# KiCad board homebrew_486.kicad_pcb (continued)
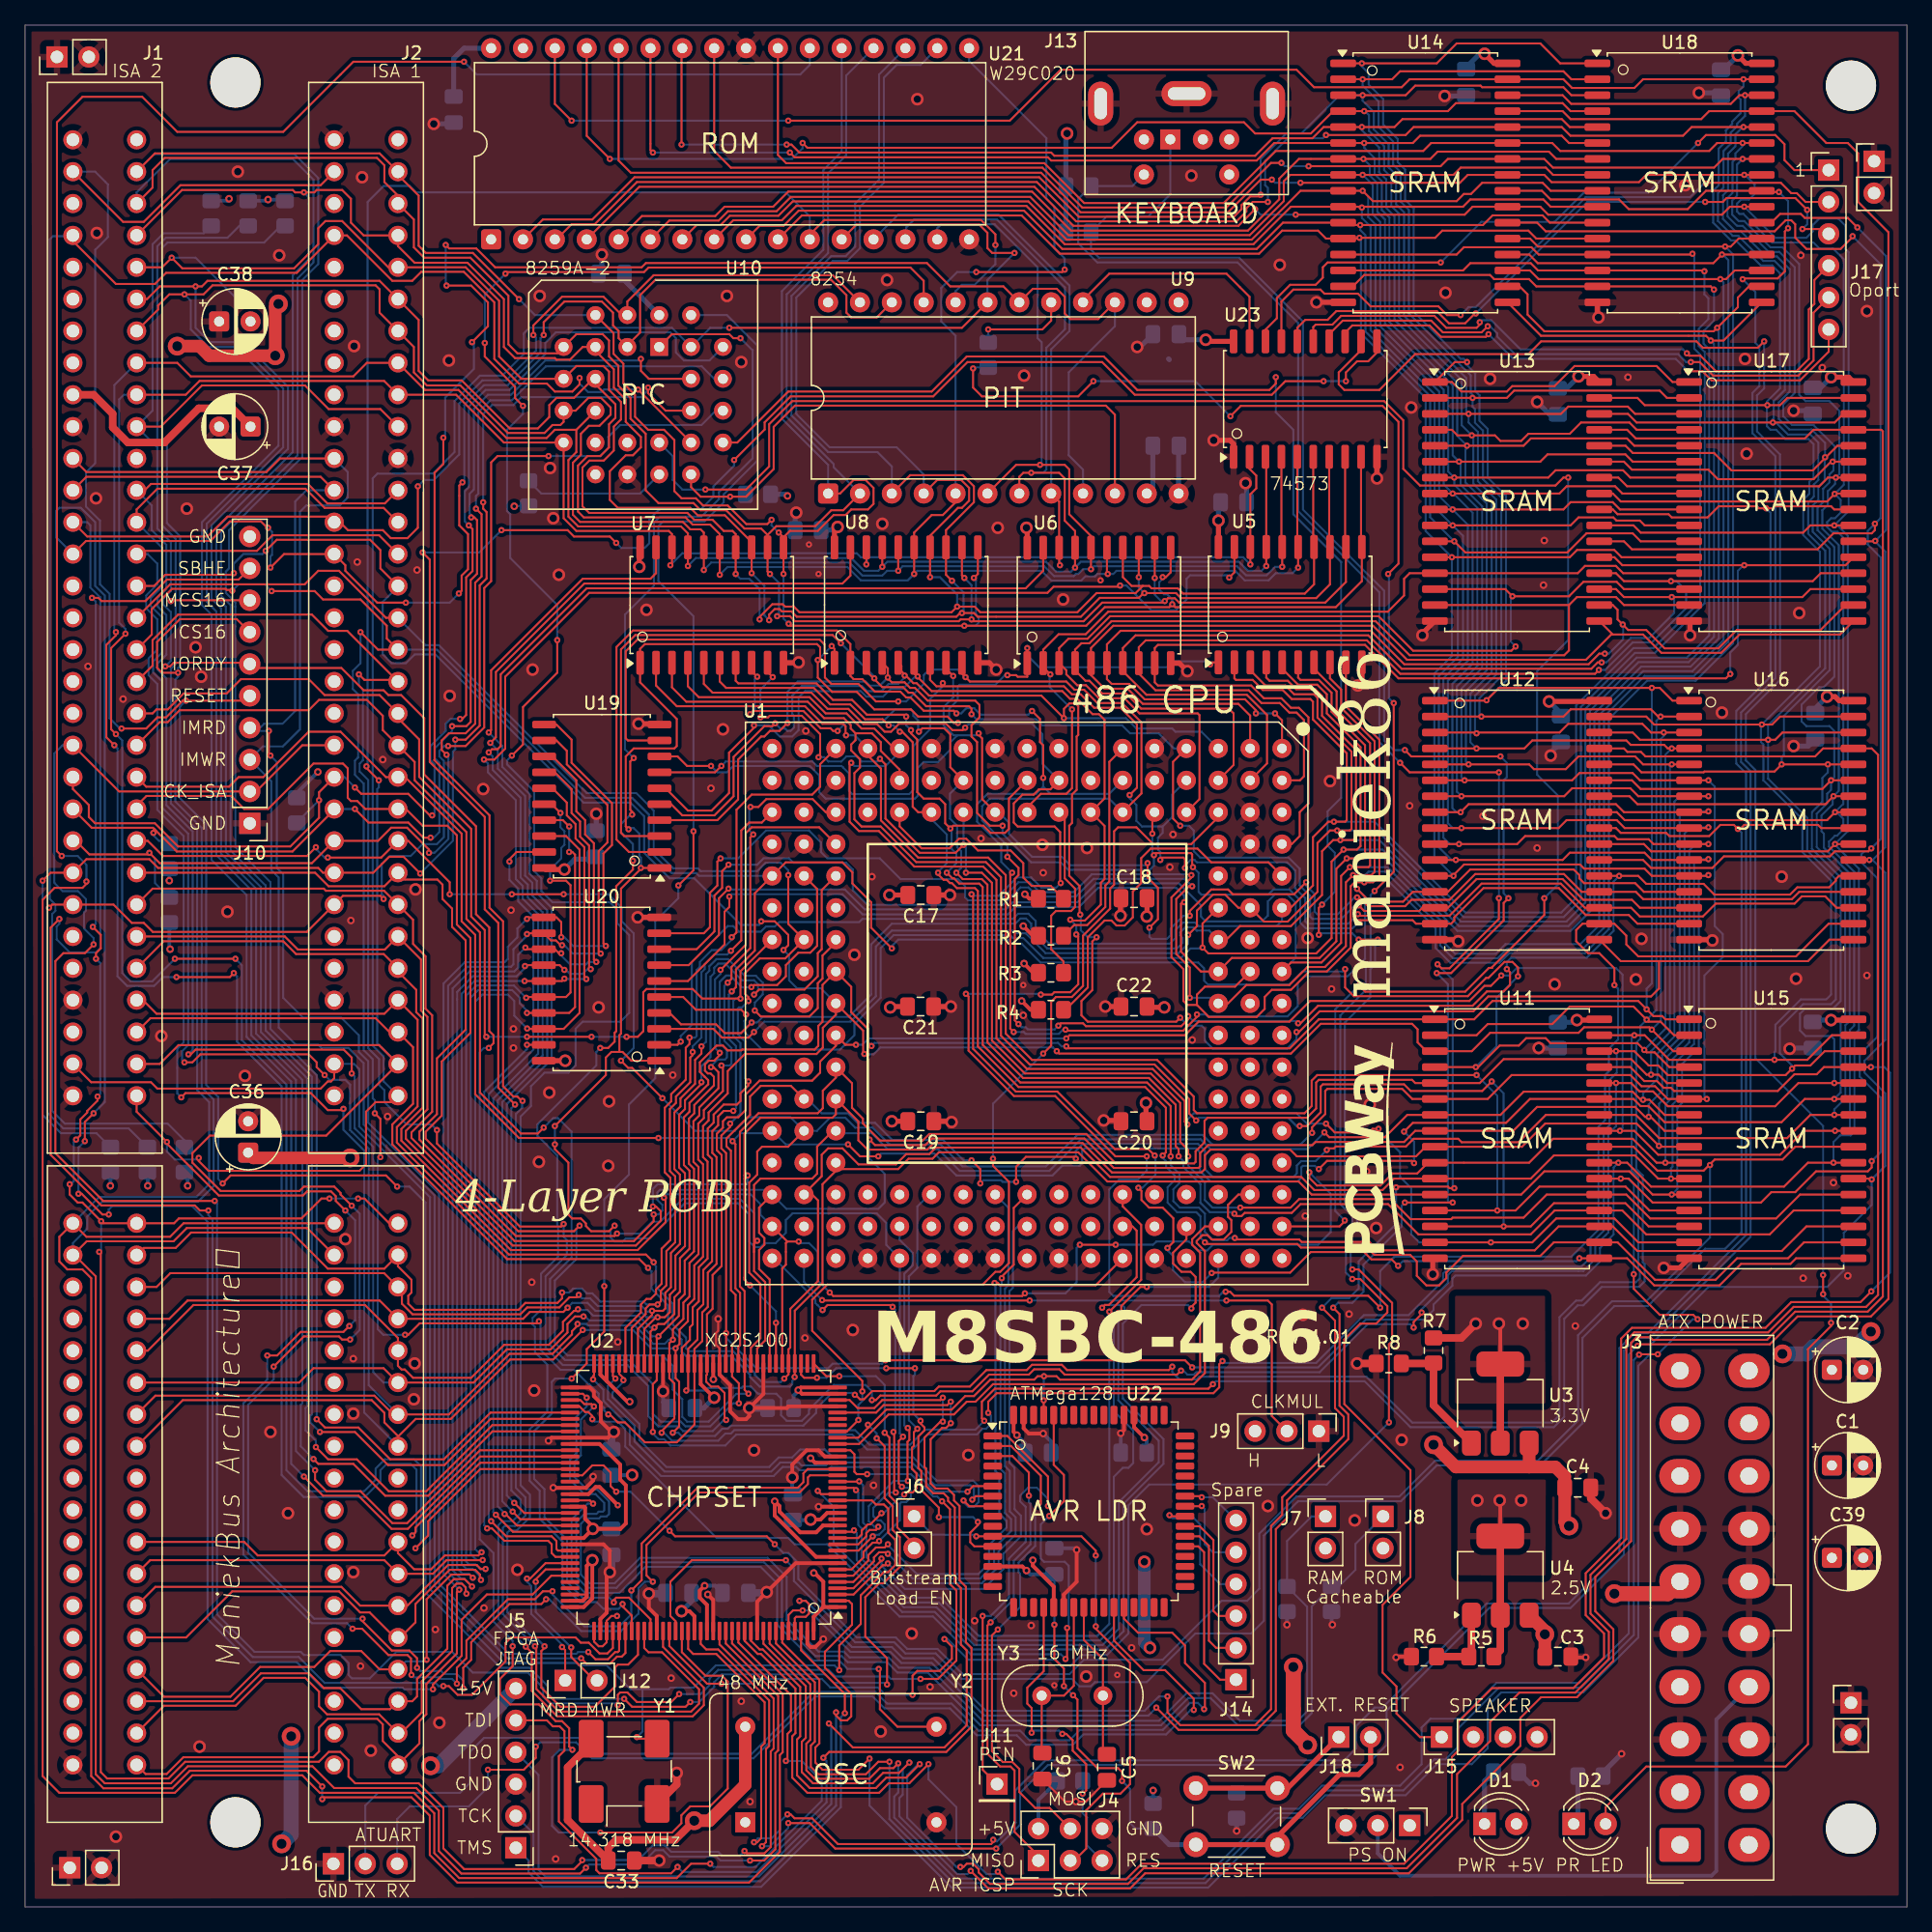
[diagram p0: board, top side]
## Routing (per net, layer and track width the routed paths; a pad name or vN(x,y) marks a point on that pad's centre or on a via; arc(x,y) is an arc through that point) (continued)
/A15: length 474.4
  Top w0.16: v3(92.14,42.75) 91.82,42.43 82.87,42.43 82.44,42.85 80.43,42.85 80.01,42.43 76.83,42.43 75.5,41.1 72.96,41.1 72.62,40.76 68.18,40.76 67.82,40.4 v3(67.5,40.4) ; v3(57.66,72.21) 57.66,72.51 57.38,72.78 57.38,74.43 58.56,75.6 60.59,75.6 U1.R7 60.83,78.36 v3(60.83,82.25) ; U21.3 42.35,132.92 43.56,134.12 45.4,134.12 48.77,137.49 80.64,137.49 83.78,134.36 96.56,134.36 97.35,135.14 97.35,135.4 97.85,135.9 v3(99.06,135.9) ; 103.65,141.24 110.05,141.24 110.68,141.87 U14.28 122.49,141.87 123.18,141.18 132.15,141.18 132.84,141.87 v3(136.97,141.87) U18.28 ; U16.28 v3(140.02,91.07) 139.45,90.5 133.86,90.5 133.79,90.44 128.84,90.44 128.21,91.07 U12.28 ; v3(110.68,46.18) 110.68,46.62 111.32,47.26 v3(111.32,47.38) ; U13.28 127.57,116.47 128.15,115.89 134.63,115.89 136.02,114.5 142.49,114.5 144.46,116.47 U17.28 ; U11.28 v3(126.81,65.67) 128.02,65.67 128.68,65.01 129.76,65.01 130.95,63.82 139.5,63.82 141.35,65.67 v3(144.21,65.67) U15.28 ; v3(57.66,65.8) 57.66,65.48 57.02,64.85 57.02,64.23 56.75,63.96 55.69,63.96 54.88,63.16 54.88,62.52 54.42,62.05 54.42,59.96 54.76,59.62 54.76,51.47 54.06,50.77 54.06,48.04 53.59,47.57 53.59,45.23 52.85,44.48 U2.57 52.85,41.31 v3(52.7,41.16) ; J1.47 11.56,105.42 22.29,105.42 23.37,106.5 25.02,106.5 28.77,102.76 J2.47
  Bottom w0.16: v3(143.48,115.55) 143.48,116.69 142.41,117.76 140.63,117.76 139.78,118.61 139.78,119.92 140.65,120.79 140.65,130.55 139.64,131.56 138.77,131.56 136.78,133.55 136.33,133.55 135.34,134.55 135.34,136.43 135.74,136.83 135.74,139.76 136.33,140.35 136.33,141.3 136.91,141.87 ; v3(143.48,115.55) 143.51,115.58 ; v3(143.48,115.55) 143.45,115.52 143.45,113.68 142.94,113.17 142.94,112.15 142.49,111.71 142.49,109.61 143.85,108.26 143.85,98.59 140.19,94.93 140.19,91.82 140.02,91.64 v3(140.02,91.07) ; v3(57.66,72.21) 57.15,71.7 56.9,71.7 56.81,71.62 56.81,69.57 57.38,69 57.38,66.07 v3(57.66,65.8) ; v3(92.14,42.75) 92.33,42.75 92.65,42.43 93.15,42.43 93.34,42.62 103.19,42.62 107.02,46.45 110.41,46.45 v3(110.68,46.18) ; v3(144.21,65.67) 144.21,69.16 143.95,69.42 141.92,69.42 141.48,69.86 141.48,71.2 141.86,71.58 144.08,71.58 144.72,72.21 144.72,82.05 142.43,84.34 142.43,87.26 143.25,88.09 143.25,89.99 143.7,90.44 v3(143.7,91.07) ; v3(99.06,135.9) 99.06,137.03 98.85,137.24 98.85,139.18 100.65,140.98 103.44,140.98 v3(103.7,141.24) ; v3(52.7,41.16) 54.23,41.16 54.44,41.37 57.1,41.37 57.21,41.48 57.85,41.48 58.42,40.91 59.88,40.91 60.26,40.53 60.26,39.19 60.7,38.75 61.91,38.75 62.48,39.32 62.48,39.64 64.45,41.61 66.99,41.61 67.5,41.1 v3(67.5,40.4) ; v3(60.83,82.25) 60.83,82.63 60.23,83.23 59.02,83.23 58.36,82.56 53.85,82.56 53.63,82.79 51.66,82.79 50.1,84.34 50.1,87.39 48.7,88.79 44.77,88.79 32.98,100.58 31.9,100.58 J2.47 ; v3(111.32,47.38) 111.32,47.64 113.41,49.73 113.41,50.37 113.73,50.69 124.21,50.69 125.16,51.64 125.16,52.72 126.2,53.75 126.2,61.61 126.81,62.22 v3(126.81,65.67)
/A16: length 415.3
  Top w0.16: v3(60.45,76.28) 60.83,76.66 60.83,77.48 59.75,78.56 v3(58.67,78.56) ; v3(19.18,108.09) 20.06,108.97 27.5,108.97 28.32,108.15 28.32,106.69 J2.46 ; v3(82.23,68.21) 82.42,68.02 100.9,68.02 103.27,70.39 110.55,70.39 111,69.95 111,68.91 111.7,68.21 U11.3 115.32,68.21 116.78,69.67 123.82,69.67 124.27,70.12 129.48,70.12 131.38,68.21 U15.3 ; v3(98.49,136.47) 98.36,136.35 97.66,136.35 96.96,135.65 96.96,135.33 96.35,134.72 83.99,134.72 80.84,137.87 48.58,137.87 45.21,134.51 41.28,134.51 U21.2 ; U12.3 122.31,93.61 123,94.3 128.91,94.3 129.6,93.61 v3(130.62,93.61) U16.3 ; U17.3 128.33,119.01 127.75,119.59 123.01,119.59 122.43,119.01 U13.3 ; U14.3 110.05,144.41 110.81,145.17 116.01,145.17 116.14,145.05 122.62,145.05 123.25,144.41 U18.3 ; J1.46 10.29,105.3 11.17,106.19 16.64,106.19 v3(16.64,106.31) ; 66.93,67.96 v3(66.9,67.99) 66.8,68.09 66.8,69.85 U1.Q9 64.63,71.12 63.59,70.08 63.59,68.49 63.08,67.98 57.37,67.98 56.01,66.62 56.01,64.85 54.48,63.32 54.48,62.69 54.04,62.24 54.04,59.77 54.4,59.41 54.4,51.68 53.7,50.98 53.7,48.27 53.21,47.79 53.21,46.43 52.99,46.21 52.99,45.19 52.35,44.55 U2.58
  Bottom w0.16: v3(82.23,68.21) 81.94,68.51 68.18,68.51 67.63,67.96 66.93,67.96 ; v3(58.67,78.56) 58.67,78.44 58.52,78.28 57.05,78.28 53.34,81.99 51.37,81.99 49.34,84.02 49.34,86.94 48.26,88.02 44.51,88.02 32.7,99.84 31.05,99.84 30.35,99.14 29.21,99.14 28.51,99.84 28.51,104.03 29.72,105.23 J2.46 ; v3(98.49,136.47) 98.49,139.33 100.52,141.36 101.73,141.36 104.77,144.41 v3(106.62,144.41) 106.62,143.97 107.51,143.08 107.51,141.68 108.69,140.5 108.69,138.65 109.28,138.06 109.28,135.71 109.92,135.08 109.92,126.82 114.87,121.87 114.87,119.2 v3(115.06,119.01) 115.06,118.31 115.8,117.57 115.8,113.64 117.26,112.18 117.26,98.23 115.57,96.53 115.57,93.68 v3(115.7,93.55) 115.7,93.61 ; v3(130.62,93.61) 130.62,93.34 130.39,93.1 130.39,70.65 v3(129.67,69.93) ; v3(60.45,76.28) 60.9,75.83 60.9,73.86 61.53,73.23 63.42,73.23 U1.Q9 ; v3(19.18,108.09) 18.92,107.84 17.4,107.84 16.64,107.07 v3(16.64,106.31)
/A17: length 598.4
  Top w0.16: U21.30 42.23,143.71 v3(43.56,142.38) ; 66.17,40.84 66.55,40.46 66.87,40.46 67.52,41.12 72.47,41.12 72.83,41.48 75.31,41.48 76.62,42.79 79.84,42.79 80.26,43.21 82.63,43.21 83.06,42.79 91.16,42.79 v3(91.44,43.07) ; U11.31 129.1,69.48 131.06,67.52 v3(139.45,67.52) 142.06,67.52 144.02,69.48 U15.31 ; v3(44.45,45.99) 42.1,43.64 38.67,43.64 33.93,38.9 31.14,38.9 29.72,37.48 J2.88 29.72,37.54 28.64,38.62 28.64,39.38 27.63,40.39 12.57,40.39 J1.88 ; U12.31 129.22,94.88 129.86,94.25 v3(138.43,94.25) 139.26,94.25 139.89,94.88 U16.31 ; v3(56.01,73.67) 56.3,73.97 56.3,74.92 57.81,76.42 57.81,85.25 v3(58.04,85.48) ; U17.31 140.46,120.28 139.88,119.7 v3(138.87,119.7) 129.1,119.7 128.52,120.28 U13.31 ; J1.45 9.14,108.09 18.48,108.09 19.72,109.33 28.22,109.33 J2.45 ; 57.81,87.66 v3(57.82,87.67) 58.45,87.67 59.08,88.3 62.78,88.3 63.82,87.26 U1.Q3 ; U18.31 128.97,145.68 128.28,144.99 123.31,144.99 122.62,145.68 U14.31 110.36,145.68 109.73,145.05 102.74,145.05 101.35,146.44 82.55,146.44 78.49,142.38 v3(60.83,142.38) ; v3(55.5,67.07) 55.63,66.94 55.63,65.04 54.1,63.51 54.1,62.88 53.66,62.43 53.66,59.58 54.04,59.2 54.04,51.83 53.34,51.13 53.34,48.46 52.83,47.96 52.83,46.69 52.16,46.02 52.16,44.88 51.85,44.56 v3(51.85,44.53) U2.59 51.85,42.14 52.13,41.86 52.13,38.3 51.72,37.89 ; 51.72,37.89 v3(51.63,37.8) ; 51.72,37.89 51.69,37.86 ; v3(25.37,63.61) 25.27,63.51 24.13,63.51 22.78,64.87 12.78,64.87 v3(12.45,64.53)
  Bottom w0.16: v3(58.04,85.48) 57.72,85.8 57.72,87.58 57.78,87.64 ; v3(91.44,43.07) 91.44,42.62 92.01,42.05 93.39,42.05 93.6,42.26 106.91,42.26 110.57,38.6 121.71,38.6 122.3,39.19 122.3,47 123.63,48.34 124.08,48.34 125.54,49.8 128.4,49.8 128.71,50.11 128.71,50.75 128.59,50.88 128.59,58.16 128.06,58.69 128.06,69.27 v3(128.27,69.48) ; v3(12.45,64.53) 12.13,64.85 12.13,68.4 12.64,68.91 12.64,85.36 10.54,87.45 10.54,97.49 9.84,98.18 9.84,99.52 10.54,100.22 10.54,102.63 9.65,103.52 9.65,104.53 10.54,105.42 10.54,107.07 9.78,107.84 J1.45 ; v3(60.83,142.38) v3(43.56,142.38) ; J2.88 27.03,39.4 27.03,60.29 25.37,61.95 v3(25.37,63.61) ; v3(44.45,45.99) 48.45,45.99 49.91,44.53 v3(51.85,44.53) ; 66.17,40.84 66.04,40.84 65.91,40.97 64.33,40.97 63.06,39.7 63.06,39.38 62.04,38.37 56.26,38.37 56.01,38.11 55.56,38.11 54.99,37.54 52.32,37.54 52.07,37.8 v3(51.63,37.8) ; v3(136.97,145.68) 136.97,145.11 136.59,144.73 136.59,144.22 136.74,144.07 136.74,142.97 136.08,142.32 136.08,142.13 135.57,141.62 135.57,140.73 135,140.16 135,137.24 134.56,136.79 134.56,134.25 135.97,132.83 136.36,132.83 138.35,130.84 139.26,130.84 139.89,130.21 139.89,121.05 138.84,120 138.84,118.03 139.13,117.74 139.57,117.74 140.31,117 142.15,117 142.56,116.6 142.56,113.93 142.22,113.59 142.22,112.64 141.73,112.15 141.73,109.35 143.07,108.02 143.07,98.88 v3(138.43,94.25) 138.37,94.18 138.37,92.85 138.56,92.66 138.56,89.8 141.67,86.69 141.67,84.08 143.95,81.8 143.95,72.72 143.57,72.34 141.54,72.34 139.51,70.31 139.51,68.21 139.45,68.15 v3(139.45,67.52) ; v3(56.01,73.67) 55.73,73.4 55.73,69.04 56.3,68.47 56.3,67.2 56.18,67.07 v3(55.5,67.07)
  vias: v3(66.14,40.82)
/A18: length 497
  Top w0.16: U17.2 130.87,120.28 130.29,120.86 118.69,120.86 118.11,120.28 v3(115.38,120.28) U13.2 ; U18.2 123.25,145.68 122.62,146.32 109.6,146.32 108.97,145.68 v3(106.62,145.68) U14.2 ; v3(44.03,46.47) 44.03,46.33 43.59,45.89 43.59,45.64 42.04,44.08 38.61,44.08 33.78,39.26 J2.87 29.34,39.26 27.84,40.75 10.39,40.75 J1.87 ; v3(94.68,41.67) 94.32,41.31 77.3,41.31 76.26,40.27 76.26,38.94 v3(76.45,38.75) ; v3(23.88,66.31) 23.24,66.94 23.24,67.32 22.61,67.96 13.97,67.96 13.33,67.32 v3(12.7,67.32) ; U1.R5 63.13,81.14 63.13,76.61 62.58,76.06 61.63,76.06 60.64,75.07 60.64,74.18 59.94,73.48 58.1,73.48 57.91,73.29 ; v3(50.74,37.8) 50.67,37.86 51.75,38.94 51.75,41.73 51.35,42.13 U2.60 51.35,44.93 v3(51.64,45.21) 51.64,46.04 52.47,46.88 52.47,48.17 52.96,48.65 52.96,51.32 53.68,52.04 53.68,58.98 53.28,59.39 53.28,62.62 53.74,63.09 53.74,63.72 55.27,65.25 55.27,66.54 54.86,66.94 v3(54.67,66.94) ; U15.2 131.44,69.48 130.37,70.56 129.41,70.56 v3(129.25,70.72) 128.21,71.77 123.13,71.77 121.73,70.37 116.59,70.37 115.7,69.48 U11.2 ; U12.2 v3(116.08,94.88) 122.62,94.88 123.2,95.46 129.59,95.46 130.17,94.88 v3(130.37,94.88) U16.2 ; J2.44 28.58,111.51 23.88,111.51 22.35,113.04 10.54,113.04 8.89,111.39 J1.44
  Bottom w0.16: J1.44 10.9,108.37 10.9,105.21 10.01,104.32 10.01,103.71 10.9,102.82 10.9,99.96 10.2,99.26 10.2,98.4 10.9,97.7 10.9,87.64 13,85.55 13,68.7 12.51,68.21 12.51,67.51 v3(12.7,67.32) ; v3(130.37,94.88) 130.03,94.54 130.03,71.49 v3(129.25,70.72) 128.75,70.22 128.75,69.2 128.42,68.87 128.42,58.84 128.95,58.31 128.95,51.38 129.1,51.24 129.1,49.86 128.65,49.42 125.67,49.42 124.21,47.95 123.76,47.95 122.68,46.87 122.68,39.07 121.86,38.24 110.43,38.24 106.76,41.9 94.91,41.9 v3(94.68,41.67) ; v3(51.64,45.21) 51.32,45.21 50.99,44.89 50.06,44.89 48.6,46.35 44.85,46.35 44.73,46.47 v3(44.03,46.47) ; v3(116.08,94.88) 115.93,95.03 115.93,96.34 117.67,98.08 117.67,112.34 116.2,113.81 116.2,117.68 115.57,118.31 115.57,119.39 115.38,119.58 115.38,120.22 ; v3(54.67,66.94) 54.67,67.01 55.22,67.55 55.79,67.55 55.94,67.7 55.94,68.28 55.37,68.85 55.37,73.74 55.88,74.24 56.2,74.24 57.15,73.29 57.91,73.29 ; v3(115.38,120.28) 115.38,120.52 115.23,120.66 115.23,122.08 110.3,127.01 110.3,135.27 109.64,135.92 109.64,138.27 109.05,138.87 109.05,140.71 107.89,141.87 107.89,143.9 106.62,145.17 106.62,145.62 ; v3(76.45,38.75) 75.76,38.05 71.75,38.05 70.55,36.84 67.31,36.84 66.15,38.01 56.54,38.01 56.26,37.73 55.82,37.73 55.24,37.16 51.56,37.16 50.93,37.8 v3(50.74,37.8) ; v3(23.88,66.31) 24.26,65.93 25.53,65.93 25.91,65.55 25.91,61.92 27.39,60.44 27.39,41.58 J2.87
  vias: v3(57.89,73.32)
/A19: length 497.8
  Top w0.16: J2.43 28.68,111.87 24.09,111.87 22.54,113.42 10.03,113.42 9.52,112.92 J1.43 ; U13.30 127.76,119.01 128.45,118.32 v3(139.32,118.32) 144.24,118.32 144.93,119.01 U17.30 ; U12.30 128.14,93.61 128.72,93.03 v3(138.94,93.03) 139.5,93.03 140.08,93.61 U16.30 ; v3(55.37,68.09) 55.37,67.89 54.93,67.45 54.48,67.45 54.19,67.16 54.19,66.66 54.42,66.43 54.64,66.43 54.91,66.17 54.91,65.48 53.34,63.92 53.34,63.26 52.92,62.84 52.92,59.24 53.32,58.83 53.32,52.25 52.58,51.51 52.58,48.84 52.11,48.38 52.11,47.11 v3(50.48,45.48) 50.35,45.35 U2.62 50.35,41.98 50.04,41.67 v3(50.04,37.86) ; v3(44.51,47.07) 43.83,47.07 43.23,46.46 43.23,45.79 41.89,44.44 38.4,44.44 35.75,41.8 J2.86 28.57,42.94 22.99,42.94 21.84,41.8 J1.86 ; U14.30 122.56,144.41 123.25,143.72 135.96,143.72 136.65,144.41 v3(137.1,144.41) U18.30 ; v3(13.02,67.96) 13.21,67.96 13.59,68.33 25.4,68.33 26.04,67.7 v3(26.04,66.43) ; v3(76.77,39.38) 76.77,40.27 77.45,40.95 94.72,40.95 95.19,41.42 95.19,43.26 v3(95.44,43.51) ; U1.Q4 63.3,86.06 57.91,86.06 57.45,85.59 57.45,76.7 v3(55.44,74.69) ; U15.30 143.45,68.21 142.3,67.07 141.1,67.07 v3(140.84,66.82) 140.34,66.31 130.94,66.31 130.17,67.07 129.41,67.07 128.27,68.21 v3(126.81,68.21) U11.30
  Bottom w0.16: v3(50.48,45.48) 49.98,45.48 48.71,46.75 44.96,46.75 44.64,47.07 v3(44.51,47.07) ; 126.87,68.21 126.87,66.5 126.3,65.93 126.3,62.31 125.84,61.84 125.84,53.9 124.78,52.84 124.78,51.77 124.08,51.07 113.6,51.07 113.03,50.5 113.03,49.92 110.28,47.17 106.72,47.17 102.91,43.36 95.59,43.36 v3(95.44,43.51) ; v3(55.37,68.09) 54.99,68.47 54.99,73.93 55.44,74.37 v3(55.44,74.69) ; J2.86 28.57,41.8 27.75,42.62 27.75,60.59 26.27,62.07 26.27,66.2 v3(26.04,66.43) ; v3(139.32,118.32) 139.32,118.59 139.38,118.65 139.38,120.03 140.27,120.92 140.27,130.38 139.45,131.2 138.56,131.2 136.57,133.19 136.12,133.19 134.94,134.38 134.94,136.6 135.38,137.05 135.38,139.97 135.95,140.54 135.95,141.43 136.46,141.94 136.46,142.13 137.1,142.76 137.1,144.35 ; v3(138.94,93.03) 138.94,94.19 143.49,98.74 143.49,108.11 142.13,109.46 142.13,111.98 142.58,112.43 142.58,113.38 142.94,113.74 142.94,116.72 142.3,117.36 140.52,117.36 139.57,118.31 139.45,118.31 ; v3(50.04,37.86) 50.04,37.73 50.48,37.29 50.93,37.29 51.43,36.78 55.82,36.78 56.69,37.65 65.93,37.65 67.12,36.46 70.74,36.46 71.95,37.67 75.88,37.67 76.33,38.11 76.6,38.11 76.98,38.49 76.98,39.17 v3(76.77,39.38) ; J1.43 10.1,111.71 10.1,109.74 11.26,108.58 11.26,105.04 10.56,104.34 10.56,103.67 11.26,102.97 11.26,99.81 10.56,99.11 10.56,98.63 11.26,97.93 11.26,87.81 13.36,85.72 13.36,68.3 v3(13.02,67.96) ; v3(140.84,66.82) 140.84,67.07 139.87,68.04 139.87,70.1 141.73,71.96 143.95,71.96 144.34,72.34 144.34,81.93 142.05,84.21 142.05,86.82 138.94,89.93 138.94,92.98 ; 29.59,112.79 J2.43
/A20: length 318.2
  Top w0.16: U15.1 130.75,70.75 130.49,71.01 129.79,71.01 v3(129.25,71.55) 128.59,72.21 116.97,72.21 115.51,70.75 U11.1 103.12,70.75 100.81,68.44 83.15,68.44 v3(82.99,68.59) ; v3(67.47,68.62) 67.16,68.93 67.16,70.01 65.85,71.32 65.85,73.34 U1.Q8 63.56,73.5 63.56,70.56 63.23,70.23 63.23,68.64 62.93,68.34 57.16,68.34 57.09,68.28 56.01,68.28 55.63,68.66 55.12,68.66 53.78,67.32 53.78,66.56 54.16,66.18 54.17,66.18 54.45,65.89 54.45,65.58 54.45,65.58 52.96,64.08 52.96,63.39 52.51,62.94 52.51,59.13 52.96,58.68 52.96,52.46 52.2,51.7 52.2,49.04 51.75,48.59 51.75,47.26 50.96,46.46 50.45,46.46 v3(50.16,46.18) 49.85,45.86 49.85,45.16 49.85,45.16 U2.63 ; v3(114.94,123.14) 113.96,123.14 U13.1 113.73,121.55 114.49,120.79 118.11,120.79 118.54,121.22 121.91,121.22 123.51,122.82 130.05,122.82 131.32,121.55 U17.1 ; U18.1 122.36,146.95 120.78,148.54 114.11,148.54 112.52,146.95 U14.1 ; v3(44.07,47.64) 43.94,47.51 43.75,47.51 42.87,46.63 42.87,45.94 41.74,44.8 38.19,44.8 35.56,42.18 30.92,42.18 30.26,42.84 30.01,42.84 29.72,43.13 J2.85 29.72,45.35 27.09,47.98 13.42,47.98 9.78,44.34 J1.85 ; U16.1 131.32,96.15 130.3,97.17 v3(129.67,97.17) 117.47,97.17 v3(116.49,96.18) 116.46,96.15 U12.1
  Bottom w0.16: v3(82.99,68.59) 82.61,68.59 82.34,68.87 67.71,68.87 v3(67.47,68.62) ; v3(106.55,146.95) 106.55,146.7 107.1,146.15 107.1,145.27 108.25,144.12 108.25,142.08 109.41,140.92 109.41,139.08 110,138.49 110,136.07 110.68,135.4 110.68,127.14 114.43,123.39 114.68,123.39 v3(114.94,123.14) ; 114.87,123.14 114.87,122.95 115.59,122.23 115.59,120.83 115.93,120.49 115.93,118.46 116.59,117.81 116.59,113.93 118.05,112.47 118.05,97.74 v3(116.49,96.18) ; v3(129.67,97.17) 129.67,73.61 129.25,73.2 v3(129.25,71.55) ; v3(50.16,46.18) 49.85,46.18 48.89,47.13 45.28,47.13 44.83,47.57 44.13,47.57 v3(44.07,47.64)
/A21: length 98
  Top w0.16: U2.64 49.35,46.06 50.29,47 v3(50.42,47) 50.99,47 51.39,47.41 51.39,48.8 51.84,49.25 51.84,51.91 52.6,52.68 52.6,58.48 52.13,58.94 52.13,63.13 52.6,63.6 52.6,64.3 53.91,65.61 v3(53.91,65.74) ; v3(43.24,47.77) 42.91,47.43 40.24,47.43 39.69,46.88 J2.84 28.26,48.34 12.95,48.34 11.49,46.88 J1.84 ; U1.Q5 63.5,81.05 63.5,76.34 63.18,76.02 63.18,74.18 62.12,73.12 58.5,73.12 v3(58.1,72.72)
  Bottom w0.16: v3(53.91,65.74) 53.91,67.01 54.63,67.73 54.63,74.14 54.93,74.44 54.93,74.86 55.26,75.2 55.82,75.2 57.15,73.86 58.1,73.86 58.42,73.55 58.42,73.04 v3(58.1,72.72) ; 43.18,47.7 v3(43.24,47.77) 43.62,48.15 44.83,48.15 45.47,47.51 49.02,47.51 49.53,47 v3(50.42,47)
/A22: length 98.9
  Top w0.16: v3(44.13,48.78) 43.94,48.59 43.39,48.59 42.59,47.79 40.03,47.79 39.48,47.24 30.88,47.24 30.04,48.08 30.04,49.1 J2.83 28.62,50.52 11.58,50.52 10.48,49.42 J1.83 ; v3(53.91,68.59) 53.91,68.02 53.4,67.51 53.4,65.61 52.24,64.45 52.24,63.81 51.75,63.32 51.75,58.81 52.2,58.37 52.2,52.85 51.48,52.13 51.48,49.4 51.03,48.95 51.03,47.7 50.84,47.51 v3(49.97,47.51) 49.97,47.19 48.85,46.07 U2.65 ; U1.Q7 64.63,76.9 63.56,75.83 63.56,74.01 63.18,73.63 63.18,71.64 62.52,70.98 58.64,70.98 v3(58.17,71.45)
  Bottom w0.16: v3(58.17,71.45) 58.17,72.09 58.59,72.51 ; 58.57,72.52 58.8,72.75 58.8,73.67 58.25,74.22 57.36,74.22 56.03,75.56 55.12,75.56 54.55,74.99 54.55,74.63 54.27,74.35 54.27,68.95 v3(53.91,68.59) ; v3(49.97,47.51) 49.91,47.45 49.6,47.45 49.15,47.89 45.66,47.89 45.04,48.51 44.41,48.51 v3(44.13,48.78)
/A23: length 99.7
  Top w0.16: v3(53.21,68.15) 53.21,67.89 53.02,67.7 53.02,65.74 51.88,64.59 51.88,64.09 51.39,63.6 51.39,58.66 51.82,58.24 51.82,52.97 51.12,52.27 51.12,49.55 50.67,49.1 50.67,48.27 v3(50.42,48.02) 49.78,48.02 49.47,47.7 49.47,47.26 48.35,46.14 U2.66 ; v3(56.26,76.21) 57.09,77.04 57.09,85.8 57.72,86.44 58.72,86.44 U1.S3 ; J1.82 9.46,52.53 12,52.53 13.23,53.76 21.25,53.76 24.13,50.88 28.64,50.88 J2.82 29.72,51.07 30.8,49.99 30.8,48.97 30.54,48.72 30.54,48.08 31.03,47.6 39.33,47.6 39.88,48.15 42.44,48.15 42.8,48.51 v3(42.8,48.97)
  Bottom w0.16: v3(42.8,48.97) 43.37,48.97 43.69,49.29 44.39,49.29 44.77,48.91 45.21,48.91 45.87,48.25 49.3,48.25 49.53,48.02 v3(50.42,48.02) ; v3(53.21,68.15) 53.21,68.59 53.91,69.29 53.91,74.5 54.17,74.75 54.17,75.13 54.95,75.92 55.97,75.92 v3(56.26,76.21)
/A31: length 60.1
  Top w0.16: U1.Q1 63.37,91.09 63.37,89.29 62.74,88.66 57.92,88.66 56.71,87.45 56.71,77.67 v3(56.32,77.29) ; v3(52.96,69.29) 52.96,68.78 52.66,68.49 52.66,65.95 51.5,64.78 51.5,64.21 50.99,63.71 50.99,58.56 51.44,58.11 51.44,53.16 50.74,52.46 50.74,49.67 50.29,49.23 50.29,48.89 49.87,48.46 49.53,48.46 49.09,48.02 49.09,47.39 47.85,46.15 U2.67
  Bottom w0.16: v3(56.32,77.29) 56.32,77.1 55.5,76.28 54.74,76.28 53.78,75.32 53.78,74.94 53.53,74.69 53.53,69.42 53.4,69.29 v3(52.96,69.29)
/AVR/AVR_MISO: length 38
  Top w0.16: J4.1 80.77,4.08 78.87,5.98 78.87,10.87 78.55,11.19 77.72,11.19 76.71,12.21 76.71,22.43 v3(76.96,22.68) ; v3(80.01,32.78) 80.01,34.62 78.69,35.94 U22.3
  Bottom w0.16: v3(80.01,32.78) 80.01,32.27 80.14,32.14 80.14,28.91 78.8,27.57 78.8,24.52 v3(76.96,22.68)
/AVR/AVR_MOSI: length 38.5
  Top w0.16: J4.4 81.66,7.89 80.52,7.89 79.25,9.16 79.25,11 78.7,11.55 77.94,11.55 77.07,12.42 77.07,21.65 v3(77.53,22.11) ; 80.77,32.14 v3(80.8,32.18) 80.96,32.33 80.96,34.37 78.59,36.74 U22.2
  Bottom w0.16: 77.53,22.05 v3(77.53,22.11) 79.31,23.89 79.31,26.56 79.18,26.68 79.18,27.45 80.52,28.78 80.52,31.89 v3(80.8,32.18)
/AVR/AVR_SCK: length 44.4
  Top w0.16: v3(85.34,28.02) 85.34,28.4 84.2,29.54 U22.11 v3(75.82,29.54) ; v3(85.34,22.37) 85.34,22.17 88.07,19.44 88.07,9.79 87.31,9.03 85.92,9.03 84.58,7.7 84.58,4.65 83.63,3.7 J4.3
  Bottom w0.16: v3(85.34,22.37) v3(85.34,28.02) ; v3(75.82,29.54) 75.69,29.67 72.33,29.67 J6.1
/AVR/FPGA_CCLK: length 20.4
  Top w0.16: 68.45,37.86 v3(68.52,37.8) 68.9,37.41 68.9,32.78 69.52,32.15 69.52,30.25 70.87,28.91 J6.2 ; v3(64.9,42.3) 63.86,42.3 U2.37
  Bottom w0.16: v3(64.9,42.3) 67.82,42.3 68.52,41.61 v3(68.52,37.8)
/AVR/FPGA_DIN: length 30.6
  Top w0.16: v3(68.64,42.94) v3(70.93,42.94) ; U22.12 75.67,28.74 75.34,29.07 75.34,29.82 75.95,30.43 v3(75.95,30.68) ; v3(72.83,31.06) 72.83,31.83 71.44,33.22 71.44,34.75 71.2,34.98 71.2,37.5 71.69,37.99 71.69,38.22 71.37,38.54 v3(71.37,38.75) ; U2.39 61.85,42.43 62.1,42.18 v3(63.12,42.18)
  Bottom w0.16: v3(63.12,42.18) 63.88,42.18 64.64,42.94 v3(68.64,42.94) ; v3(72.83,31.06) 75.56,31.06 v3(75.95,30.68) ; v3(71.37,38.75) 70.8,39.32 70.8,42.3 70.93,42.43 v3(70.93,42.94)
/AVR/FPGA_DONE: length 39.2
  Top w0.16: U22.6 75.56,33.54 v3(75.12,33.1) ; v3(45.28,42.05) 45.28,42.3 45.35,42.38 U2.72
  Bottom w0.16: v3(75.12,33.1) 72.52,33.1 70.55,35.07 64.26,35.07 64.01,34.81 61.72,34.81 61.47,35.07 60.39,35.07 59.67,34.35 50.7,34.35 48.2,36.85 48.2,38.24 46.1,40.34 46.1,41.22 v3(45.28,42.05)
/AVR/FPGA_REQ_RESET: length 71.5
  Top w0.16: v3(45.21,38.88) 45.21,39.13 44.89,39.45 44.64,39.45 44.19,39.9 U2.76 ; U22.60 81.99,35.24 82.8,34.43 82.8,32.33 v3(81.63,31.16) 81.6,31.13 ; v3(82.93,19.76) 83.06,19.89 v3(83.06,22.24)
  Bottom w0.16: v3(81.63,31.16) 80.96,30.49 80.96,27.76 81.22,27.51 82.87,27.51 83.19,27.19 83.19,22.37 v3(83.06,22.24) 82.99,22.17 ; v3(82.93,19.76) 82.55,20.14 75.37,20.14 72.37,23.15 69.7,23.15 63.94,28.91 61.34,28.91 60.83,29.41 55.12,29.41 47.84,36.7 47.84,38.09 47.24,38.68 45.4,38.68 v3(45.21,38.88)
/AVR/RESET_BTN: length 53.6
  Top w0.16: v3(82.04,22.49) 82.04,19.76 82.8,19 v3(82.8,17.6) ; v3(87.44,10.05) 87.44,10.74 87.12,11.06 85.47,11.06 83.88,12.65 83.88,16.52 v3(83.53,16.87)
  Top w0.3: v2(79.82,26.81) 79.49,27.14 U22.14
  Top w0.4: SW2.2 SW2.2 99.82,5.6 104.77,10.55 106.3,10.55 107.25,11.51 J18.2
  Bottom w0.16: v3(82.8,17.6) v3(83.53,16.87) ; v3(87.44,10.05) 88.07,9.41 88.07,6.68 88.5,6.25 R13.2 ; C7.1 v3(82.04,22.49)
  Bottom w0.3: v2(79.82,26.81) 80.12,26.51 C7.1 81.94,26.62
  Bottom w0.4: R13.2 91.2,4.97 SW2.2
/AVR/RXD: length 88.1
  Top w0.16: v3(93.15,15.7) 93.15,16.59 90.87,18.87 89.16,18.87 86.79,21.23 U22.27 ; v3(40.7,12.78) 40.7,11.89 39.75,10.94 v3(36.89,10.94)
  Bottom w0.16: J16.3 29.65,7 30.67,8.01 35.37,8.01 36.89,9.54 v3(36.89,10.94) ; v3(40.7,12.78) 41.04,13.12 43.92,13.12 45.19,11.85 58.06,11.85 62.99,16.78 67.56,16.78 68.52,15.82 73.72,15.82 75.86,13.69 79.04,13.69 79.8,12.92 83.52,12.92 84.35,13.75 90.95,13.75 92.9,15.7 v3(93.15,15.7)
/AVR/TXD: length 93.2
  Top w0.16: U22.28 87.59,22.97 88.71,21.86 91.44,21.86 92.46,20.84 92.46,19.44 94.04,17.86 94.04,15.76
  Bottom w0.16: J16.2 27.11,8.08 28.13,9.09 34.67,9.09 35.43,9.86 35.43,12.33 36.58,13.48 44.13,13.48 45.4,12.21 57.91,12.21 62.84,17.14 67.78,17.14 68.71,16.21 73.85,16.21 76.01,14.05 79.31,14.05 80.07,13.28 83.25,13.28 84.07,14.11 90.69,14.11 92.85,16.27 93.47,16.27 v3(93.98,15.76)
/AVR/XTAL1: length 12.5
  Top w0.16: U22.24 84.39,21.28 85.92,19.76 Y3.1 85.92,12.49 C5.2
/AVR/XTAL2: length 13.7
  Top w0.16: C6.2 81.04,12.32 Y3.2 82.8,16.84 83.59,17.63 U22.23
/AVR/~{AVR_PEN}: length 37
  Top w0.16: v3(81.53,31.95) 81.53,34.3 78.3,37.54 U22.1 ; v3(76.33,23.19) 76.33,10.94 J11.1
  Bottom w0.16: v3(81.53,31.95) 81.53,32.53 80.64,33.41 79.95,33.41 79.31,32.78 79.31,32.33 79.76,31.89 79.76,29.1 78.42,27.76 78.42,24.65 76.96,23.19 v3(76.33,23.19)
/AVR/~{AVR_RESET}: length 26.3
  Top w0.16: v3(82.68,13.79) 82.99,13.79 83.5,13.28 83.5,12.46 84.58,11.38 84.58,9.28 84.26,8.97 ; U22.20 81.19,18.79 79.88,17.48 79.88,16.21 80.23,15.86 v3(80.23,13.89)
  Bottom w0.16: v3(82.68,13.79) 82.42,14.05 80.39,14.05 v3(80.23,13.89) 80.2,13.86 ; R9.2 v3(84.3,9.03) 84.3,7.47 84.65,7.12 84.65,4.9 J4.5
/AVR/~{FPGA_INIT}: length 42.6
  Top w0.16: v3(74.8,32.4) 75.26,31.94 U22.8 ; v3(47.69,41.99) 47.69,42.16 47.35,42.49 U2.68
  Bottom w0.16: v3(74.8,32.4) 74.8,32.27 75.18,31.89 75.63,31.89 76.01,32.27 76.01,33.54 75.56,33.99 72.65,33.99 70.8,35.83 64.39,35.83 63.75,36.46 61.79,36.46 61.15,35.83 60.07,35.83 59.31,35.07 51.12,35.07 48.96,37.22 48.96,38.5 46.82,40.63 46.82,40.99 47.69,41.86 v3(47.69,41.99)
/AVR/~{FPGA_PROG}: length 39.5
  Top w0.16: U22.7 75.78,32.74 v3(75.5,32.46) ; U2.69 46.85,42.32 v3(47.05,42.11)
  Bottom w0.16: v3(47.05,42.11) 46.46,41.52 46.46,40.48 48.58,38.37 48.58,37.1 50.97,34.71 59.48,34.71 60.2,35.43 61.66,35.43 61.89,35.19 63.82,35.19 64.05,35.43 70.7,35.43 72.52,33.6 75.37,33.6 75.63,33.35 75.63,32.59 v3(75.5,32.46)
/Bus transceivers/~{W/R}: length 187.1
  Top w0.16: v3(68.07,29.16) 68.07,29.03 67.56,29.03 66.83,28.3 66.83,27.86 65.88,26.9 U2.7 ; 94.42,99.01 v3(94.46,99.04) 94.61,99.2 U5.1 ; 47.37,68.15 46.74,68.15 46.29,67.7 46.29,66.31 v3(42.23,62.24) ; 47.37,68.15 47.37,69.48 47.5,69.61 47.5,81.17 49.09,82.75 v3(49.09,82.82) U19.1 ; 47.37,68.15 47.62,68.15 48.32,67.45 U20.1 ; v3(48.1,85.9) 47.88,86.12 47.88,91.71 48.51,92.34 51.75,92.34 51.94,92.53 51.94,94.69 49.02,97.61 U7.1 49.02,100.28 49.4,100.66 63.12,100.66 63.37,100.41 63.37,99.58 v3(63.18,99.39) 63.18,97.99 64.33,96.85 66.29,96.85 67.69,95.45 70.61,95.45 71.18,94.88 73.53,94.88 74.04,94.37 v3(74.36,94.37) ; v3(42.23,60.78) 42.23,60.4 43.31,59.32 43.31,55.17 43.6,54.88 44.3,54.88 44.7,54.48 44.7,54.28 45.12,53.86 46.55,53.86 v3(46.99,54.31) ; v3(78.3,98.18) 78.99,98.18 79.12,98.06 79.88,98.06 U6.1 v3(79.88,100.34) ; v3(69.98,37.48) 69.64,37.14 69.64,33.75 69.91,33.48 ; U8.1 64.52,100.28 v3(64.29,100.5)
  Bottom w0.16: v3(42.23,60.78) v3(42.23,62.24) ; v3(69.98,37.48) 69.72,37.73 69.72,51.69 U1.N17 68.64,52.77 68.64,54.52 67.88,55.28 61.18,55.28 60.64,54.75 60.64,53.73 59.82,52.91 58.93,52.91 58.61,52.59 58.17,52.59 57.72,53.04 57.72,55.19 56.83,56.08 52.58,56.08 49.79,53.29 47.88,53.29 47.62,53.04 46.99,53.04 46.67,53.35 46.67,53.99 v3(46.99,54.31) ; v3(49.09,82.82) 49.09,83.64 48.96,83.77 48.96,85.55 48.51,85.99 48.2,85.99 v3(48.1,85.9) 48.07,85.87 ; 64.33,100.53 v3(64.29,100.5) v3(63.18,99.39) ; v3(79.88,100.34) 79.88,99.77 80.84,98.82 91.19,98.82 91.65,99.28 94.22,99.28 v3(94.46,99.04) ; 69.91,33.48 69.98,33.41 70.36,33.41 70.61,33.16 70.61,32.65 70.22,32.26 69.84,32.26 69.72,32.14 69.72,30.81 v3(68.07,29.16) ; v3(78.3,98.18) 78.1,98.18 77.34,97.42 74.49,97.42 74.34,97.27 74.34,96.19 73.66,95.52 73.66,94.69 73.98,94.37 v3(74.36,94.37)
  vias: v3(69.89,33.49)
